# KiCad board HPM6E00EnetConnectTsnRevB.kicad_pcb
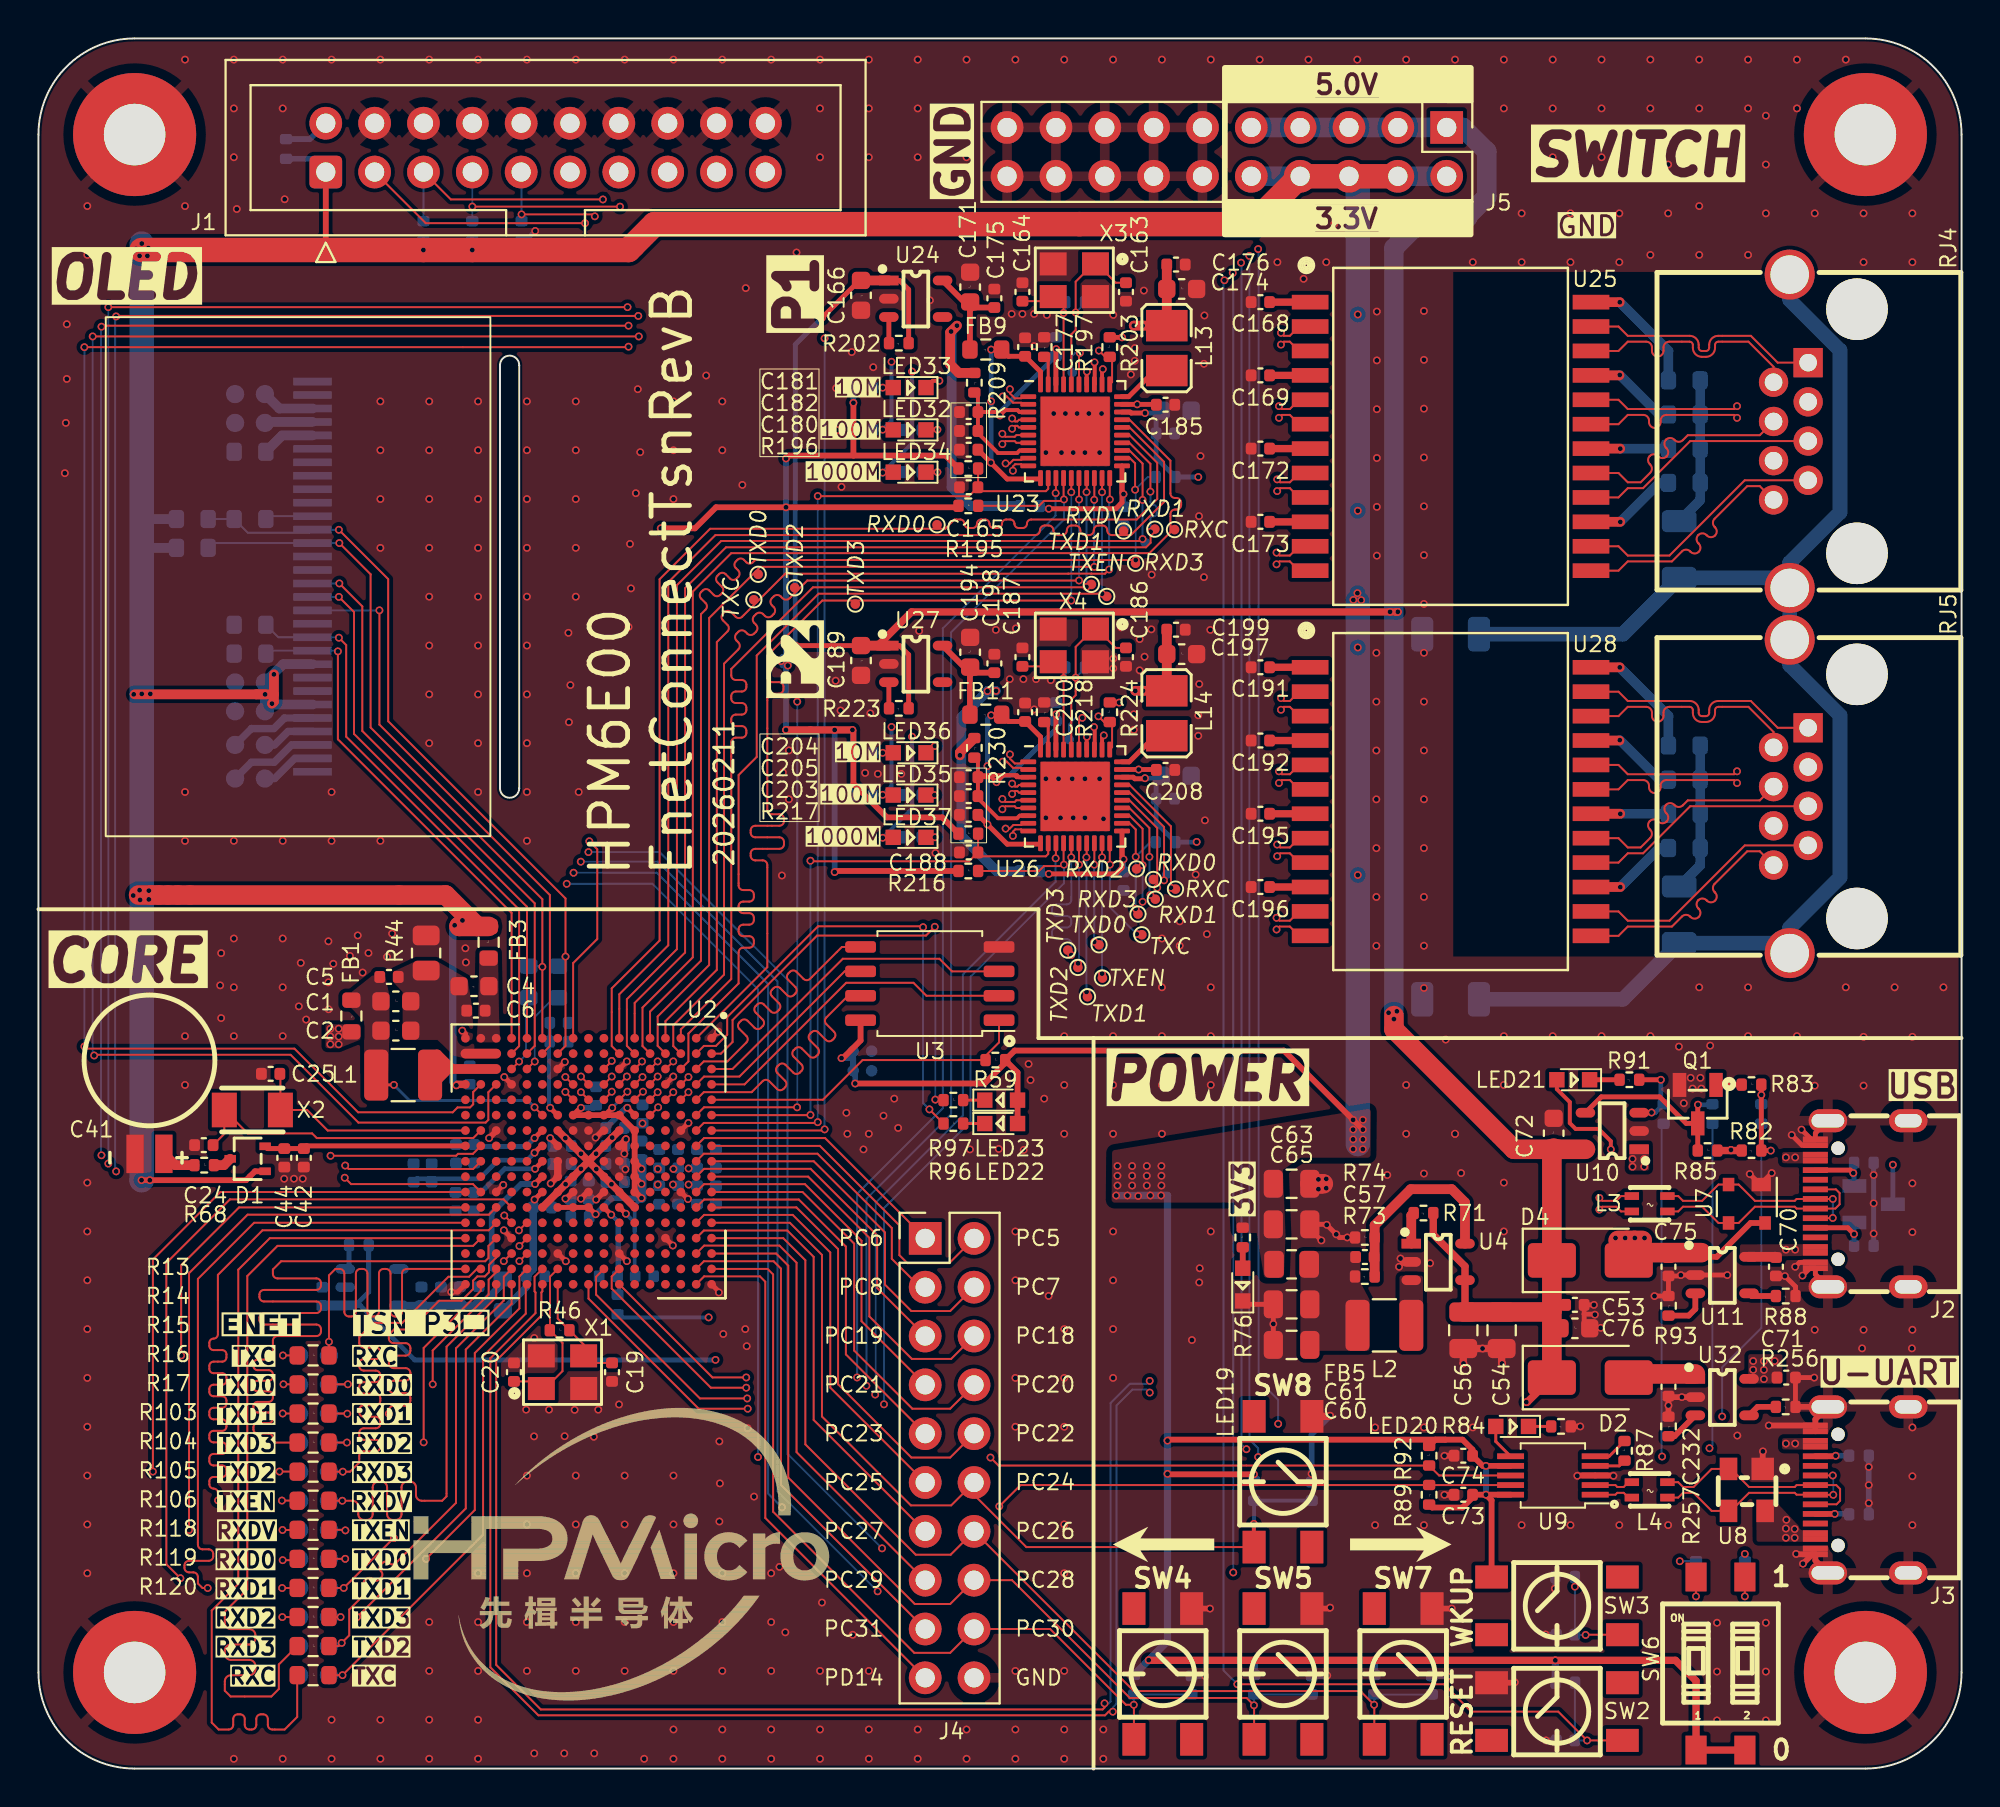
[diagram p0: board, top side]
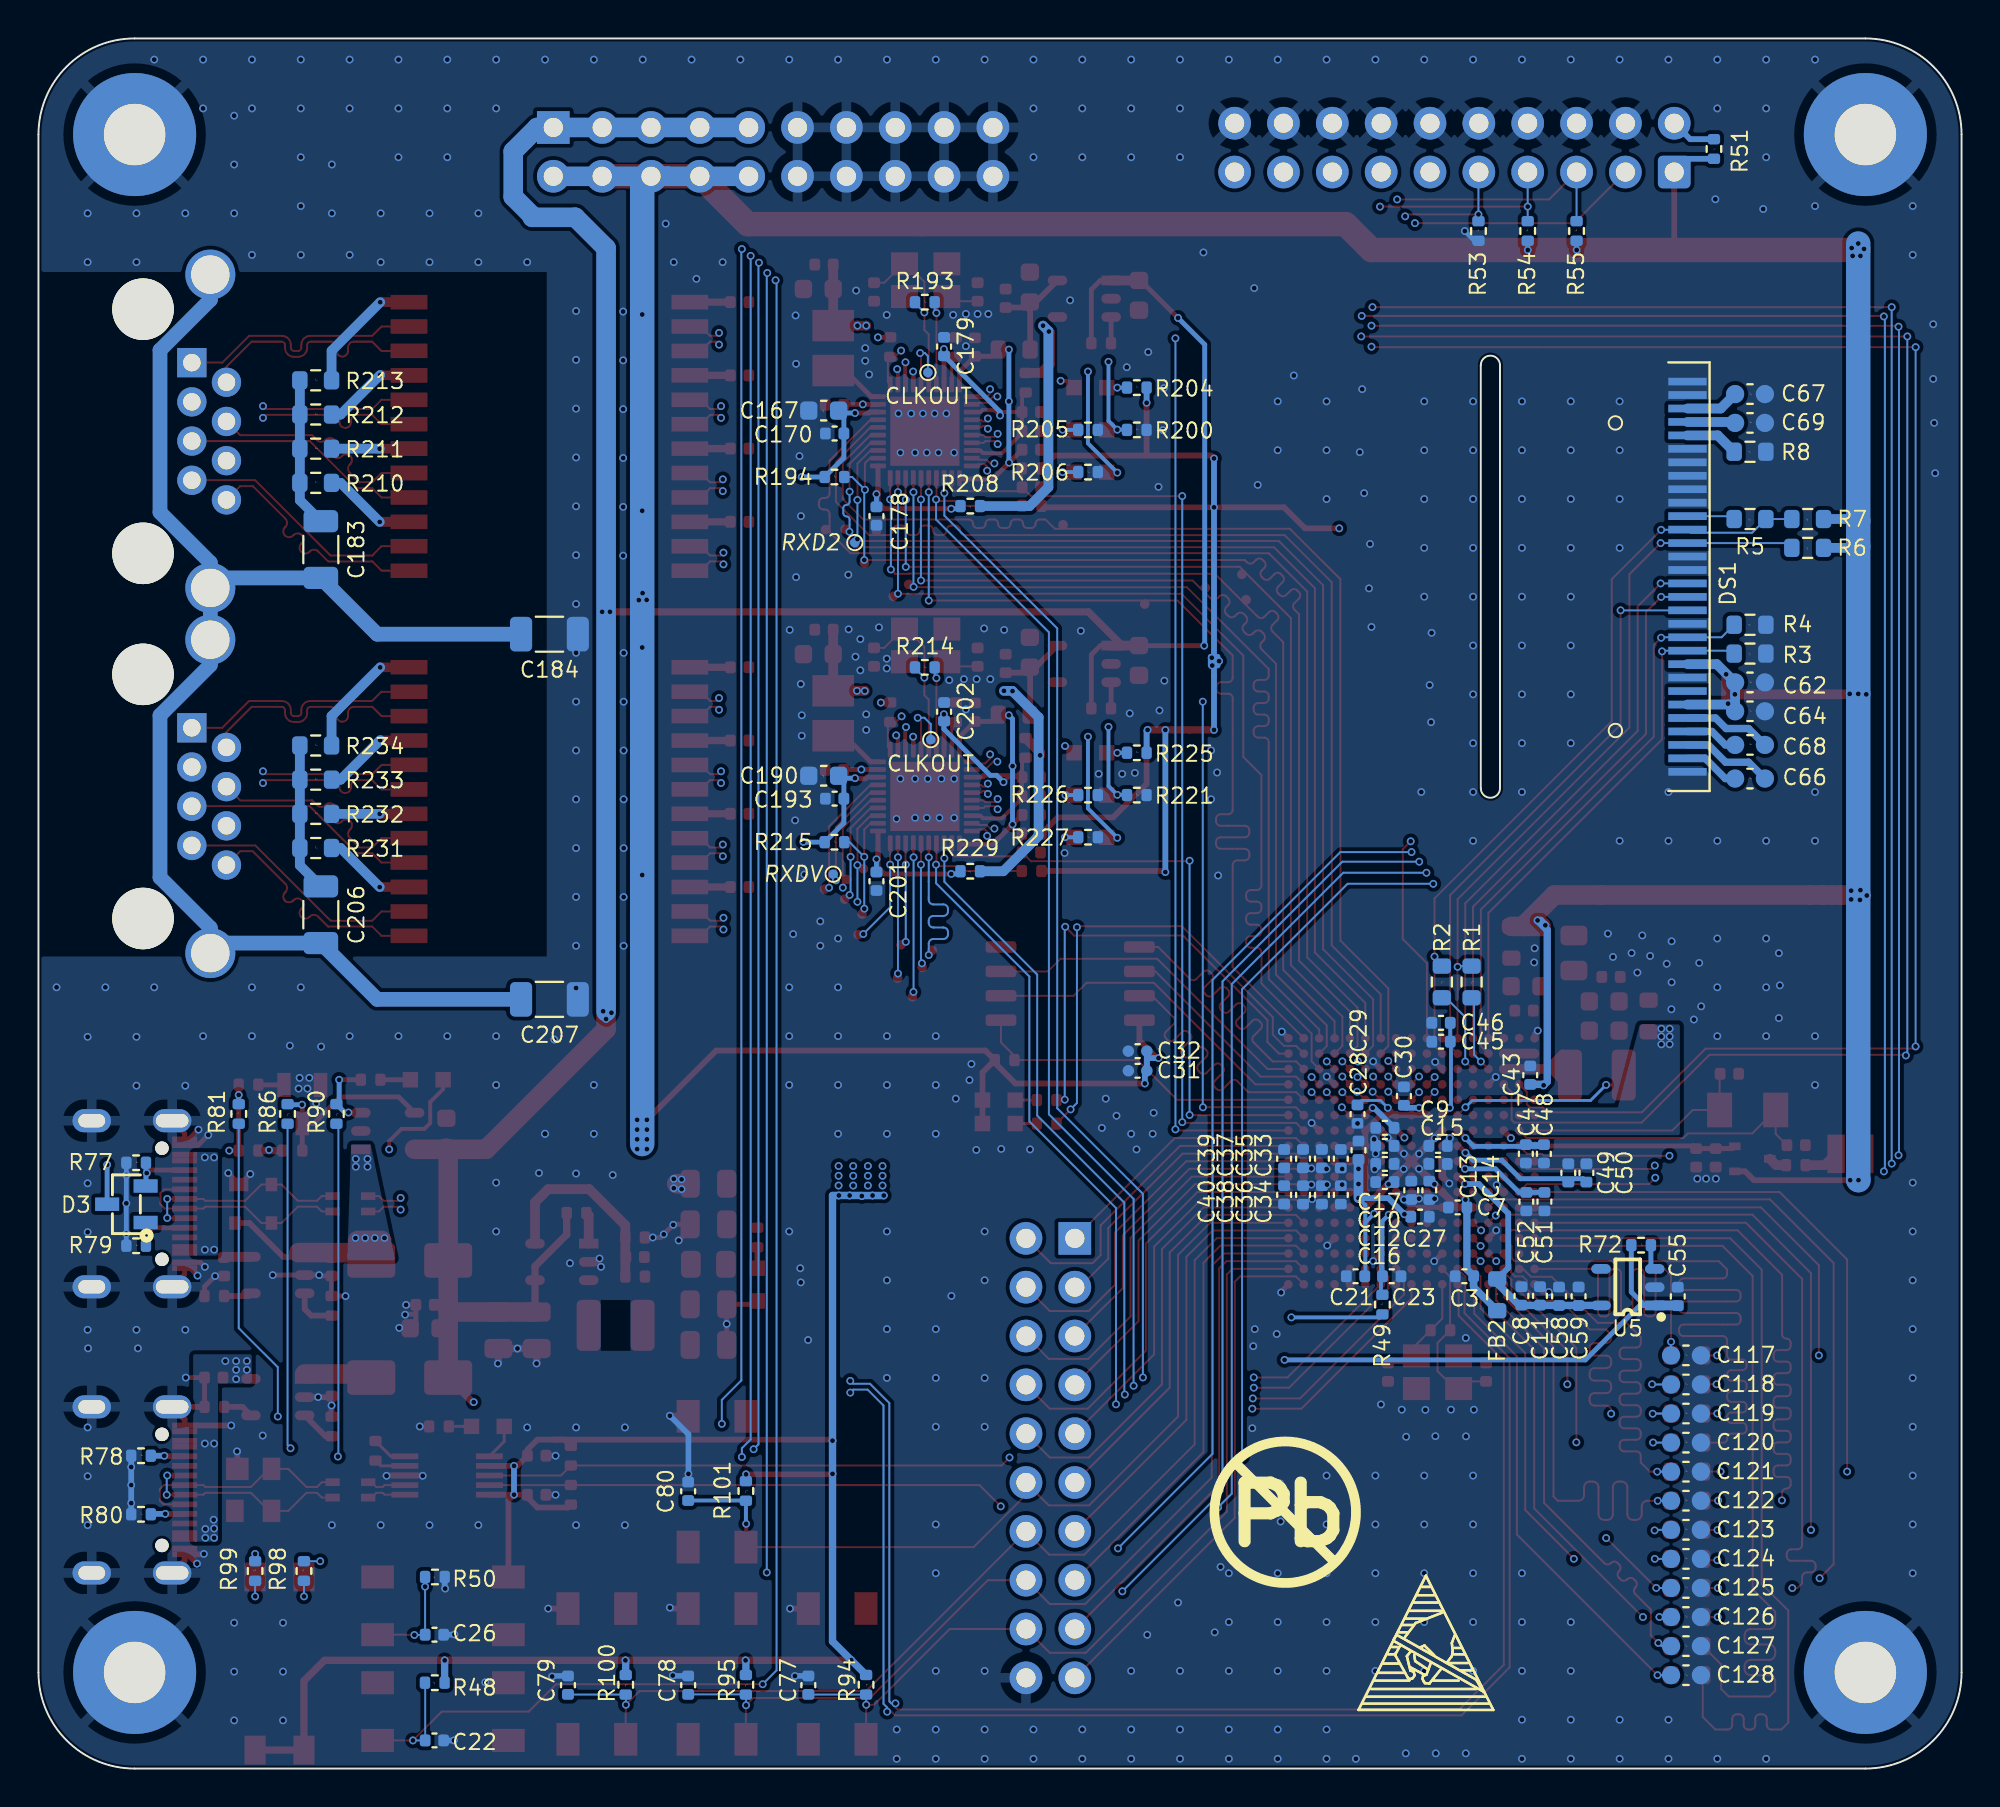
[diagram p1: board, bottom side, seen from below]

Outline 100 x 90 mm; copper layers: Top, GND2 (plane), POWER3, Bottom. Coordinates in mm from the lower left corner of the outline.
Outline path: 0,85 arc(1.46,88.54) 5,90 95,90 arc(98.54,88.54) 100,85 100,5 arc(98.54,1.46) 95,0 5,0 arc(1.46,1.46) 0,5 0,85 ; 24,73 arc(24.5,73.5) 25,73 25,51 arc(24.5,50.5) 24,51 24,73
Stack: Top 0.0175mm / dielectric 0.1mm FR4 er 4.5 / GND2 0.0175mm / dielectric 1.31mm FR4 er 4.5 / POWER3 0.0175mm / dielectric 0.1mm FR4 er 4.5 / Bottom 0.0175mm

## Placement (name value [footprint] x y rotation side)
C1  22uF,10V  [C_0603_1608Metric]  18.58 39.91 0 top
C2  22uF,10V  [C_0603_1608Metric]  18.58 38.39 0 top
C3  4.7uF,10V  [C_0402_1005Metric]  25.85 25.61 0 bottom
C4  22uF,10V  [C_0603_1608Metric]  22.65 40.7 180 top
C5  0.1uF,16V  [C_0402_1005Metric]  18.23 41.18 0 top
C6  0.1uF,16V  [C_0402_1005Metric]  22.75 39.43 180 top
C7  0.1uF,16V  [C_0402_1005Metric]  26.2 29.19 0 bottom
C8  0.1uF,16V  [C_0402_1005Metric]  22.89 24.59 90 bottom
C9  0.1uF,16V  [C_0402_1005Metric]  27.22 32.39 180 bottom
C10  0.1uF,16V  [C_0402_1005Metric]  29.99 32.39 0 bottom
C11  4.7uF,10V  [C_0402_1005Metric]  21.92 24.59 90 bottom
C12  0.1uF,16V  [C_0402_1005Metric]  29.99 31.45 0 bottom
C13  0.1uF,16V  [C_0402_1005Metric]  28.62 30.08 270 bottom
C14  0.1uF,16V  [C_0402_1005Metric]  27.68 30.08 270 bottom
C15  4.7uF,10V  [C_0402_1005Metric]  27.22 31.45 180 bottom
C16  4.7uF,10V  [C_0402_1005Metric]  29.99 30.51 0 bottom
C17  22uF,10V  [C_0402_1005Metric]  29.99 33.33 0 bottom
C19  12pF,50V  [C_0402_1005Metric]  29.83 20.62 270 top
C20  12pF,50V  [C_0402_1005Metric]  24.73 20.62 90 top
C21  0.1uF,16V  [C_0402_1005Metric]  31.51 25.61 0 bottom
C22  0.1uF,16V  [C_0402_1005Metric]  79.41 1.46 180 bottom
C23  0.1uF,16V  [C_0402_1005Metric]  29.63 25.61 180 bottom
C24  15pF,50V  [C_0402_1005Metric]  8.6 32.43 180 top
C25  15pF,50V  [C_0402_1005Metric]  12.07 36.14 180 top
C26  0.1uF,16V  [C_0402_1005Metric]  79.41 6.96 180 bottom
C27  0.1uF,16V  [C_0402_1005Metric]  28.16 28.71 0 bottom
C28  4.7uF,10V  [C_0402_1005Metric]  31.36 32.16 270 bottom
C29  0.1uF,16V  [C_0402_1005Metric]  31.41 34.04 270 bottom
C30  0.1uF,16V  [C_0402_1005Metric]  29 34.98 90 bottom
C31  0.1uF,16V  [C_0402_1005Metric#2]  42.84 36.3 0 bottom
C32  10uF,10V  [C_0402_1005Metric#2]  42.84 37.32 0 bottom
C33  10uF,6.3V  [C_0402_1005Metric]  32.28 31.72 90 bottom
C34  0.1uF,16V  [C_0402_1005Metric]  32.28 29.84 270 bottom
C35  0.1uF,16V  [C_0402_1005Metric]  33.26 31.72 90 bottom
C36  10uF,6.3V  [C_0402_1005Metric]  33.26 29.84 270 bottom
C37  0.1uF,16V  [C_0402_1005Metric]  34.24 31.72 90 bottom
C38  0.1uF,16V  [C_0402_1005Metric]  34.24 29.84 270 bottom
C39  0.1uF,16V  [C_0402_1005Metric]  35.23 31.72 90 bottom
C40  0.1uF,16V  [C_0402_1005Metric]  35.23 29.84 270 bottom
C41  超级电容_3.3V  [DMS3R3224]  5.77 31.98 270 top
C42  0.1uF,16V  [C_0402_1005Metric]  13.8 31.77 270 top
C43  0.1uF,16V  [C_0402_1005Metric]  22.43 36.07 270 bottom
C44  10uF,10V  [C_0402_1005Metric]  12.78 31.77 270 top
C45  0.1uF,16V  [C_0402_1005Metric]  27.07 37.81 0 bottom
C46  4.7uF,10V  [C_0402_1005Metric]  27.07 38.79 0 bottom
C47  0.1uF,16V  [C_0402_1005Metric]  22.66 31.98 270 bottom
C48  4.7uF,10V  [C_0402_1005Metric]  21.72 31.98 270 bottom
C49  4.7uF,10V  [C_0402_1005Metric]  20.45 30.99 90 bottom
C50  0.1uF,16V  [C_0402_1005Metric]  19.51 30.99 90 bottom
C51  4.7uF,10V  [C_0402_1005Metric]  21.69 29.49 270 bottom
C52  0.1uF,16V  [C_0402_1005Metric]  22.63 29.49 270 bottom
C53  0.1uF,16V  [C_0402_1005Metric]  79.89 24.12 0 top
C54  22uF,16V  [C_0805_2012Metric]  76.08 22.8 270 top
C55  4.7uF,10V  [C_0402_1005Metric]  14.76 24.56 90 bottom
C56  22uF,16V  [C_0805_2012Metric]  74.09 22.8 270 top
C57  22pF,50V  [C_0402_1005Metric]  68.97 26.61 0 top
C58  0.1uF,16V  [C_0402_1005Metric]  20.93 24.57 90 bottom
C59  10uF,10V  [C_0402_1005Metric]  19.91 24.57 90 bottom
C60  22uF,16V  [C_0805_2012Metric]  65.16 22.04 180 top
C61  22uF,16V  [C_0805_2012Metric]  65.16 24.15 180 top
C62  1uF,25V  [C_0603_1608Metric#2]  11 56.5 180 bottom
C63  22uF,16V  [C_0805_2012Metric]  65.16 30.42 0 top
C64  1uF,25V  [C_0603_1608Metric#2]  11 55 180 bottom
C65  22uF,16V  [C_0805_2012Metric]  65.16 28.31 0 top
C66  1uF,25V  [C_0603_1608Metric#2]  11 51.5 180 bottom
C67  2.2uF,50V  [C_0603_1608Metric#2]  11 71.5 180 bottom
C68  1uF,25V  [C_0603_1608Metric#2]  11 53.25 180 bottom
C69  4.7uF,16V  [C_0603_1608Metric#2]  11 70 180 bottom
C70  1uF,16V  [C_0402_1005Metric]  90.35 26.1 270 top
C71  1uF,16V  [C_0402_1005Metric]  90.88 20.34 0 top
C72  10uF,16V  [C_0603_1608Metric]  78.79 33.05 90 top
C73  4.7uF,10V  [C_0402_1005Metric]  74.09 14.24 0 top
C74  0.1uF,16V  [C_0402_1005Metric]  74.09 16.27 180 top
C75  1uF,16V  [C_0402_1005Metric]  84.76 26.1 270 top
C76  22uF,10V  [C_0603_1608Metric]  79.89 22.9 0 top
C77  0.1uF,16V  [C_0402_1005Metric]  59.97 4.34 90 bottom
C78  0.1uF,16V  [C_0402_1005Metric]  66.22 4.34 90 bottom
C79  0.1uF,16V  [C_0402_1005Metric]  72.47 4.34 90 bottom
C80  0.1uF,16V  [C_0402_1005Metric]  66.22 14.42 90 bottom
C117  220pF,50V  [C_0603_1608Metric#2]  14.33 21.49 180 bottom
C118  220pF,50V  [C_0603_1608Metric#2]  14.33 19.98 180 bottom
C119  220pF,50V  [C_0603_1608Metric#2]  14.33 18.47 180 bottom
C120  220pF,50V  [C_0603_1608Metric#2]  14.33 16.96 180 bottom
C121  220pF,50V  [C_0603_1608Metric#2]  14.33 15.44 180 bottom
C122  220pF,50V  [C_0603_1608Metric#2]  14.33 13.93 180 bottom
C123  220pF,50V  [C_0603_1608Metric#2]  14.33 12.42 180 bottom
C124  220pF,50V  [C_0603_1608Metric#2]  14.33 10.91 180 bottom
C125  220pF,50V  [C_0603_1608Metric#2]  14.33 9.39 180 bottom
C126  220pF,50V  [C_0603_1608Metric#2]  14.33 7.88 180 bottom
C127  220pF,50V  [C_0603_1608Metric#2]  14.33 6.37 180 bottom
C128  220pF,50V  [C_0603_1608Metric#2]  14.33 4.86 180 bottom
C163  22pF,50V  [C_0402_1005Metric]  56.55 76.81 270 top
C164  22pF,50V  [C_0402_1005Metric]  51.17 76.81 90 top
C165  0.1uF,50V  [C_0402_1005Metric]  48.37 66.65 180 top
C166  4.7uF,16V  [C_0603_1608Metric]  42.77 76.64 270 top
C167  4.7uF,16V  [C_0603_1608Metric]  59.17 70.64 0 bottom
C168  0.1uF,50V  [C_0402_1005Metric]  63.54 76.28 180 top
C169  0.1uF,50V  [C_0402_1005Metric]  63.54 72.47 180 top
C170  0.1uF,50V  [C_0402_1005Metric]  58.6 69.45 0 bottom
C171  4.7uF,16V  [C_0603_1608Metric]  48.45 77.07 90 top
C172  0.1uF,50V  [C_0402_1005Metric]  63.54 68.66 180 top
C173  0.1uF,50V  [C_0402_1005Metric]  63.54 64.85 180 top
C174  4.7uF,16V  [C_0603_1608Metric]  59.45 76.97 0 top
C175  0.1uF,50V  [C_0402_1005Metric]  49.71 76.48 90 top
C176  0.1uF,50V  [C_0402_1005Metric]  59.15 78.24 0 top
C177  0.1uF,50V  [C_0402_1005Metric]  51.31 73.95 270 top
C178  0.1uF,50V  [C_0402_1005Metric]  56.42 65.15 90 bottom
C179  0.1uF,50V  [C_0402_1005Metric]  52.91 73.97 90 bottom
C180  0.1uF,50V  [C_0402_1005Metric]  48.37 68.61 0 top
C181  0.1uF,50V  [C_0402_1005Metric]  48.37 70.57 180 top
C182  0.1uF,50V  [C_0402_1005Metric]  48.37 69.58 180 top
C183  1nF,2kV  [C_1206_3216Metric]  85.32 63.41 270 bottom
C184  1nF,2kV  [C_1206_3216Metric]  73.43 59.01 0 bottom
C185  0.1uF,50V  [C_0402_1005Metric]  58.61 70.95 0 top
C186  22pF,50V  [C_0402_1005Metric]  56.55 57.82 270 top
C187  22pF,50V  [C_0402_1005Metric]  51.17 57.82 90 top
C188  0.1uF,50V  [C_0402_1005Metric]  48.37 47.66 180 top
C189  4.7uF,16V  [C_0603_1608Metric]  42.77 57.64 270 top
C190  4.7uF,16V  [C_0603_1608Metric]  59.17 51.64 0 bottom
C191  0.1uF,50V  [C_0402_1005Metric]  63.54 57.29 180 top
C192  0.1uF,50V  [C_0402_1005Metric]  63.54 53.48 180 top
C193  0.1uF,50V  [C_0402_1005Metric]  58.6 50.45 0 bottom
C194  4.7uF,16V  [C_0603_1608Metric]  48.45 58.07 90 top
C195  0.1uF,50V  [C_0402_1005Metric]  63.54 49.67 180 top
C196  0.1uF,50V  [C_0402_1005Metric]  63.54 45.86 180 top
C197  4.7uF,16V  [C_0603_1608Metric]  59.45 57.97 0 top
C198  0.1uF,50V  [C_0402_1005Metric]  49.71 57.49 90 top
C199  0.1uF,50V  [C_0402_1005Metric]  59.15 59.24 0 top
C200  0.1uF,50V  [C_0402_1005Metric]  51.31 54.95 270 top
C201  0.1uF,50V  [C_0402_1005Metric]  56.42 46.16 90 bottom
C202  0.1uF,50V  [C_0402_1005Metric]  52.91 54.97 90 bottom
C203  0.1uF,50V  [C_0402_1005Metric]  48.37 49.61 0 top
C204  0.1uF,50V  [C_0402_1005Metric]  48.37 51.57 180 top
C205  0.1uF,50V  [C_0402_1005Metric]  48.37 50.59 180 top
C206  1nF,2kV  [C_1206_3216Metric]  85.32 44.42 270 bottom
C207  1nF,2kV  [C_1206_3216Metric]  73.43 40.01 0 bottom
C208  0.1uF,50V  [C_0402_1005Metric]  58.61 51.95 0 top
C232  1uF,16V  [C_0402_1005Metric]  84.76 19.86 270 top
D1  BAT54SWF  [SC-70]  10.88 31.72 0 top
D2  SS24  [D_SMA]  80.7 20.34 0 top
D3  BAT54A-7-F  [SOT-23]  95.43 29.35 180 bottom
D4  SS34A  [D_SMA]  80.7 26.43 0 top
DS1  -  [OLED-128O064D]  14.25 62 90 bottom
FB1  100Ω@100MHz 2A  [R_0603_1608Metric]  16.27 39.15 270 top
FB2  100Ω@100MHz 2A  [R_0603_1608Metric]  24.15 24.64 90 bottom
FB3  100Ω@100MHz 2A  [R_0603_1608Metric]  23.41 42.98 90 top
FB5  100Ω@100MHz_2A  [R_0805_2012Metric]  65.16 26.23 0 top
FB9  100Ω@100MHz_2A  [R_0603_1608Metric]  49.26 73.82 180 top
FB11  100Ω@100MHz_2A  [R_0603_1608Metric]  49.26 54.82 180 top
G***  LOGO  [jiantou]  57.56 11.65 0 top
G***#2  LOGO  [jiantou]  71.78 11.66 180 top
H201  MountingHole_Pad  [MountingHole_3.2mm_M3_Pad]  5 85 0 top
H202  MountingHole_Pad  [MountingHole_3.2mm_M3_Pad]  95 85 0 top
H203  MountingHole_Pad  [MountingHole_3.2mm_M3_Pad]  95 5 0 top
H204  MountingHole_Pad  [MountingHole_3.2mm_M3_Pad]  5 5 0 top
J1  Conn_ARM_JTAG_SWD_20  [IDC-Header_2x10_P2.54mm]  14.94 83.05 90 top
J2  USB_Type-C  [TYPE-C-16P]  94.81 29.38 90 top
J3  USB_Type-C  [TYPE-C-16P]  94.81 14.5 90 top
J4  Conn_02x10  [PinHeader_2x10_P2.54mm_Vertical]  46.11 27.58 0 top
J5  Conn_02x10  [PinHeader_2x10_P2.54mm_Vertical]  73.23 85.37 270 top
L1  4.7uH_2A  [L_1210_3225Metric]  18.96 36.07 0 top
L2  4.7uH_1.6A  [L_1210_3225Metric]  69.99 23.05 180 top
L3  DLW21SN900SQ2L  [L2012]  83.78 29.38 90 top
L4  DLW21SN900SQ2L  [L2012]  83.78 14.5 90 top
L13  2.2uH 2.3A  97mΩ  [L1008]  58.67 73.89 90 top
L14  2.2uH 2.3A  97mΩ  [L1008]  58.67 54.9 90 top
LED19  LED_RED  [LED_0603]  62.62 25.18 270 top
LED20  LED_GREEN  [LED_0603]  76.63 17.8 0 top
LED21  LED_GREEN  [LED_0603]  79.81 35.83 0 top
LED22  LED_GREEN  [LED_0603]  50.06 33.55 180 top
LED23  LED_GREEN  [LED_0603]  50.06 34.77 180 top
LED32  LED_GREEN  [LED_0603]  45.3 69.64 0 top
LED33  LED_BLUE  [LED_0603]  45.3 71.84 0 top
LED34  LED_RED  [LED_0603]  45.3 67.44 0 top
LED35  LED_GREEN  [LED_0603]  45.3 50.64 0 top
LED36  LED_BLUE  [LED_0603]  45.3 52.84 0 top
LED37  LED_RED  [LED_0603]  45.3 48.44 0 top
MARK2  HPM Logo  [HPM LOGO 8]  19.48 3.54 0 top
Q1  2N7002  [SOT-23]  86.28 34.56 90 top
R1  0Ω  [R_0603_1608Metric]  25.48 40.92 270 bottom
R2  0Ω  [R_0603_1608Metric]  27.03 40.92 270 bottom
R3  1K  [R_0603_1608Metric]  11 58 0 bottom
R4  1K  [R_0603_1608Metric]  11 59.5 0 bottom
R5  0Ω  [R_0603_1608Metric]  11 65 0 bottom
R6  4.7K  [R_0603_1608Metric]  8 63.5 0 bottom
R7  4.7K  [R_0603_1608Metric]  8 65 0 bottom
R8  910K  [R_0603_1608Metric]  11 68.5 0 bottom
R13  33Ω  [R_0603_1608Metric]  14.28 21.49 0 top
R14  33Ω  [R_0603_1608Metric]  14.28 19.98 0 top
R15  33Ω  [R_0603_1608Metric]  14.28 18.47 0 top
R16  33Ω  [R_0603_1608Metric]  14.28 16.96 0 top
R17  33Ω  [R_0603_1608Metric]  14.28 15.44 0 top
R44  0Ω  [R_0805_2012Metric]  20.16 42.42 270 top
R46  1M  [R_0402_1005Metric]  27.1 22.8 0 top
R48  10K  [R_0402_1005Metric]  79.39 4.47 0 bottom
R49  10Ω  [R_0402_1005Metric]  30.11 24.14 90 bottom
R50  10K  [R_0402_1005Metric]  79.39 9.97 0 bottom
R51  0Ω_0402  [R_0402_1005Metric]  12.88 84.25 270 bottom
R53  10K  [R_0402_1005Metric]  25.12 79.98 90 bottom
R54  10K  [R_0402_1005Metric]  22.56 79.98 90 bottom
R55  10K  [R_0402_1005Metric]  20.02 79.98 90 bottom
R59  10K  [R_0402_1005Metric]  49.76 36.86 0 top
R68  51Ω  [R_0402_1005Metric]  8.62 31.39 0 top
R71  10K  [R_0402_1005Metric]  72.02 28.9 180 top
R72  10K  [R_0402_1005Metric]  16.66 27.23 180 bottom
R73  100K  [R_0402_1005Metric]  68.97 25.59 180 top
R74  22.1K  [R_0402_1005Metric]  68.97 27.63 0 top
R76  1K  [R_0402_1005Metric]  62.62 27.63 90 top
R77  5.1K  [R_0402_1005Metric]  94.92 31.51 180 bottom
R78  5.1K  [R_0402_1005Metric]  94.67 16.27 180 bottom
R79  5.1K  [R_0402_1005Metric]  94.92 27.2 180 bottom
R80  5.1K  [R_0402_1005Metric]  94.67 13.23 180 bottom
R81  0Ω_0402  [R_0402_1005Metric]  89.59 34.05 90 bottom
R82  100K  [R_0402_1005Metric]  89.08 32.15 180 top
R83  10K  [R_0402_1005Metric]  89.08 35.58 0 top
R84  1K  [R_0402_1005Metric]  79.17 17.8 180 top
R85  10K  [R_0402_1005Metric]  86.79 32.15 0 top
R86  0Ω_0402  [R_0402_1005Metric]  87.05 34.05 270 bottom
R87  2K  [R_0402_1005Metric]  82.47 16.53 90 top
R88  10K  [R_0402_1005Metric]  90.86 24.58 180 top
R89  5.1K  [R_0402_1005Metric]  72.31 14.24 270 top
R90  0Ω_0402  [R_0402_1005Metric]  84.51 34.05 270 bottom
R91  1K  [R_0402_1005Metric]  82.73 35.83 180 top
R92  5.1K  [R_0402_1005Metric]  72.31 16.27 90 top
R93  330Ω  [R_0402_1005Metric]  84.76 24.07 270 top
R94  10K  [R_0402_1005Metric]  56.96 4.36 270 bottom
R95  10K  [R_0402_1005Metric]  63.21 4.36 270 bottom
R96  1K  [R_0402_1005Metric]  47.57 33.55 0 top
R97  1K  [R_0402_1005Metric]  47.57 34.77 0 top
R98  10K_0402  [R_0402_1005Metric]  86.19 10.28 90 bottom
R99  10K_0402  [R_0402_1005Metric]  88.73 10.28 90 bottom
R100  10K  [R_0402_1005Metric]  69.46 4.36 270 bottom
R101  10K  [R_0402_1005Metric]  63.21 14.44 270 bottom
R103  33Ω  [R_0603_1608Metric]  14.28 13.93 0 top
R104  33Ω  [R_0603_1608Metric]  14.28 12.42 0 top
R105  33Ω  [R_0603_1608Metric]  14.28 10.91 0 top
R106  33Ω  [R_0603_1608Metric]  14.28 9.39 0 top
R118  33Ω  [R_0603_1608Metric]  14.28 7.88 0 top
R119  33Ω  [R_0603_1608Metric]  14.28 6.37 0 top
R120  33Ω  [R_0603_1608Metric]  14.28 4.86 0 top
R193  1M  [R_0402_1005Metric]  53.91 76.28 180 bottom
R194  4.7K  [R_0402_1005Metric]  58.61 67.19 180 bottom
R195  4.7K  [R_0402_1005Metric]  48.35 65.69 0 top
R196  10K  [R_0402_1005Metric]  48.35 67.63 0 top
R197  2.49K  [R_0402_1005Metric]  52.3 73.95 270 top
R200  4.7K  [R_0402_1005Metric]  42.89 69.64 180 bottom
R202  4.7K  [R_0402_1005Metric]  44.74 74.15 180 top
R203  4.7K  [R_0402_1005Metric]  55.71 73.95 90 top
R204  330Ω  [R_0402_1005Metric]  42.89 71.84 180 bottom
R205  330Ω  [R_0402_1005Metric]  45.42 69.64 180 bottom
R206  330Ω  [R_0402_1005Metric]  45.42 67.44 180 bottom
R208  0Ω  [R_0402_1005Metric]  51.55 65.67 0 bottom
R209  0Ω  [R_0402_1005Metric]  48.66 72.09 270 top
R210  75Ω  [R_0603_1608Metric]  85.58 66.88 180 bottom
R211  75Ω  [R_0603_1608Metric]  85.58 68.66 180 bottom
R212  75Ω  [R_0603_1608Metric]  85.58 70.44 180 bottom
R213  75Ω  [R_0603_1608Metric]  85.58 72.22 180 bottom
R214  1M  [R_0402_1005Metric]  53.91 57.28 180 bottom
R215  4.7K  [R_0402_1005Metric]  58.61 48.19 180 bottom
R216  4.7K  [R_0402_1005Metric]  48.35 46.69 0 top
R217  10K  [R_0402_1005Metric]  48.35 48.63 0 top
R218  2.49K  [R_0402_1005Metric]  52.3 54.95 270 top
R221  4.7K  [R_0402_1005Metric]  42.89 50.64 180 bottom
R223  4.7K  [R_0402_1005Metric]  44.74 55.15 180 top
R224  4.7K  [R_0402_1005Metric]  55.71 54.95 90 top
R225  330Ω  [R_0402_1005Metric]  42.89 52.84 180 bottom
R226  330Ω  [R_0402_1005Metric]  45.42 50.64 180 bottom
R227  330Ω  [R_0402_1005Metric]  45.42 48.45 180 bottom
R229  0Ω  [R_0402_1005Metric]  51.55 46.68 0 bottom
R230  0Ω  [R_0402_1005Metric]  48.66 53.1 270 top
R231  75Ω  [R_0603_1608Metric]  85.58 47.89 180 bottom
R232  75Ω  [R_0603_1608Metric]  85.58 49.66 180 bottom
R233  75Ω  [R_0603_1608Metric]  85.58 51.44 180 bottom
R234  75Ω  [R_0603_1608Metric]  85.58 53.22 180 bottom
R256  10K  [R_0402_1005Metric]  90.86 18.81 180 top
R257  330Ω  [R_0402_1005Metric]  84.76 17.8 270 top
REF**  -  [PB]  39.33 17.27 180 bottom
Ref**  Val**  [ESD2]  31.45 10.07 180 bottom
RJ4  HC-RJ45-5JA-1-4  [RJ45-TH_HC-RJ45-5JA-1-4]  91.12 69.57 90 top
RJ5  HC-RJ45-5JA-1-4  [RJ45-TH_HC-RJ45-5JA-1-4]  91.12 50.57 90 top
SW2  轻触开关4.5mm*4.5mm*4mm  [轻触开关SMD-4P,4.5x4.5mm]  78.96 2.96 180 top
SW3  轻触开关4.5mm*4.5mm*4mm  [轻触开关SMD-4P,4.5x4.5mm]  78.96 8.46 180 top
SW4  轻触开关4.5mm*4.5mm*4mm  [轻触开关SMD-4P,4.5x4.5mm]  58.46 4.92 90 top
SW5  轻触开关4.5mm*4.5mm*4mm  [轻触开关SMD-4P,4.5x4.5mm]  64.71 4.92 90 top
SW6  拨码开关  [SW-SMD_DM-02-V]  87.46 5.46 0 top
SW7  轻触开关4.5mm*4.5mm*4mm  [轻触开关SMD-4P,4.5x4.5mm]  70.96 4.92 90 top
SW8  轻触开关4.5mm*4.5mm*4mm  [轻触开关SMD-4P,4.5x4.5mm]  64.71 14.92 90 top
T52  0.5mm  [TestPoint_Pad_D0.5mm]  55.55 60.97 0 top
T53  0.5mm  [TestPoint_Pad_D0.5mm]  37.43 62.12 0 top
T54  0.5mm  [TestPoint_Pad_D0.5mm]  39.33 61.42 0 top
T55  0.5mm  [TestPoint_Pad_D0.5mm]  56.43 64.38 0 top
T56  0.5mm  [TestPoint_Pad_D0.5mm]  46.73 64.7 0 top
T57  0.5mm  [TestPoint_Pad_D0.5mm]  57.55 63.77 180 bottom
T58  0.5mm  [TestPoint_Pad_D0.5mm]  37.2 60.8 0 top
T59  0.5mm  [TestPoint_Pad_D0.5mm]  54.75 61.6 0 top
T60  0.5mm  [TestPoint_Pad_D0.5mm]  42.48 60.58 0 top
T61  0.5mm  [TestPoint_Pad_D0.5mm]  59.08 64.45 0 top
T62  0.5mm  [TestPoint_Pad_D0.5mm]  58.05 64.47 0 top
T63  0.5mm  [TestPoint_Pad_D0.5mm]  57.05 62.7 0 top
T65  0.5mm  [TestPoint_Pad_D0.5mm]  53.75 72.62 180 bottom
T66  0.5mm  [TestPoint_Pad_D0.5mm]  55.33 41.12 0 top
T67  0.5mm  [TestPoint_Pad_D0.5mm]  55.15 42.85 0 top
T68  0.5mm  [TestPoint_Pad_D0.5mm]  54.05 41.67 0 top
T69  0.5mm  [TestPoint_Pad_D0.5mm]  58.68 46.52 180 bottom
T70  0.5mm  [TestPoint_Pad_D0.5mm]  57.97 46.25 0 top
T71  0.5mm  [TestPoint_Pad_D0.5mm]  57.1 46.8 0 top
T72  0.5mm  [TestPoint_Pad_D0.5mm]  57.38 43.38 0 top
T73  0.5mm  [TestPoint_Pad_D0.5mm]  54.55 40.15 0 top
T74  0.5mm  [TestPoint_Pad_D0.5mm]  53.53 42.58 0 top
T75  0.5mm  [TestPoint_Pad_D0.5mm]  59.12 45.75 0 top
T76  0.5mm  [TestPoint_Pad_D0.5mm]  58.08 45.22 0 top
T77  0.5mm  [TestPoint_Pad_D0.5mm]  57.18 44.45 0 top
T79  0.5mm  [TestPoint_Pad_D0.5mm]  53.6 53.52 180 bottom
U2  HPM6E00BGA289_BDIF  [BGA-289_17x17_14.0x14.0mm]  28.6 31.59 270 top
U3  MX25L12833FM2I-10G  [SOIC8_208mil]  46.35 40.83 180 top
U4  SM8082AAAC  [SOT-23-5]  72.78 26.36 0 top
U5  LP5907MFX-3.3/NOPB  [SOT-23-5]  17.35 25.04 0 bottom
U7  PRTR5V0U2X  [SOT-143]  88.83 29.38 270 top
U8  -  [PRTR5V0U2X]  88.83 14.5 270 top
U9  CH340E  [MSOP-10]  78.75 15.25 180 top
U10  AP2151WG-7  [SOT-23-5]  81.84 33.16 180 top
U11  PW1515  [SOT-23-5]  87.55 25.67 0 top
U23  YT8531  [QFN-40-1EP_5x5mm_P0.4mm_EP3.6x3.6mm]  53.91 69.57 0 top
U24  LP5907MFX-3.3/NOPB  [SOT-23-5]  45.62 76.46 0 top
U25  H5007NL  [PULSE_H5007NL]  73.43 69.3 0 top
U26  YT8531  [QFN-40-1EP_5x5mm_P0.4mm_EP3.6x3.6mm]  53.91 50.57 0 top
U27  LP5907MFX-3.3/NOPB  [SOT-23-5]  45.62 57.46 0 top